# KiCad board panel_rp2354_20x20.kicad_pcb (continued)
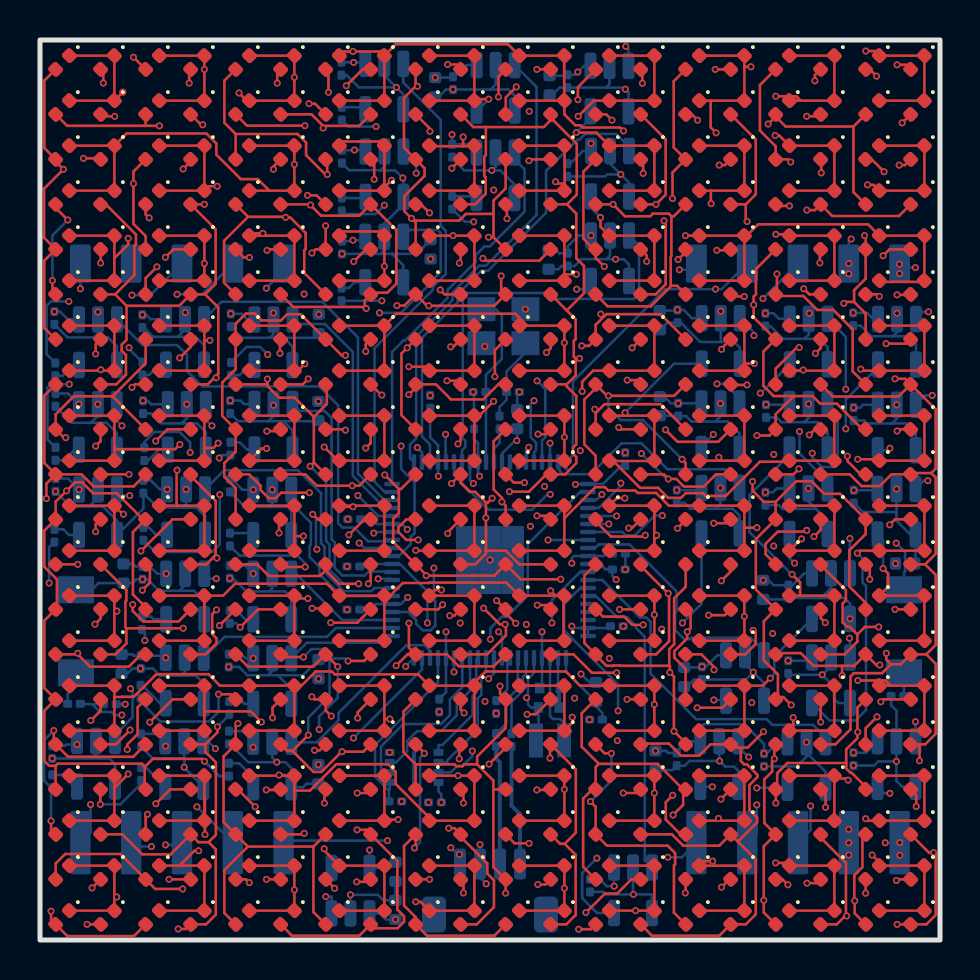
[diagram p0: board, top side]
## Placement (name value [footprint] x y rotation side) (continued)
J4  Conn_01x05  [ConnRcpt_1x5_SMH-105-02-X-S]  37.9 41.1 0 bottom
J5  Conn_01x05  [ConnRcpt_1x5_SMH-105-02-X-S]  7.1 41.1 0 bottom
L1  3.3uH  [L_pol_2016]  25.5 9.97 0 bottom
R1  10k  [R_0201_0603Metric]  17.77 6.93 180 bottom
R2  1k  [R_0201_0603Metric]  42.88 12.2 180 bottom
R3  1k  [R_0201_0603Metric]  1.7 11.81 180 bottom
R4  10k  [R_0201_0603Metric]  3.5 11.79 180 bottom
R5  1k  [R_0201_0603Metric]  22.97 25.88 90 bottom
R6  33  [R_0201_0603Metric]  27.8 11.02 0 bottom
R7  27  [R_0201_0603Metric]  22.8 10 90 bottom
R8  27  [R_0201_0603Metric]  23.58 10 90 bottom
R9  270  [R_0201_0603Metric]  9.45 8.52 270 bottom
R10  270  [R_0201_0603Metric]  5.06 8.3 270 bottom
R11  270  [R_0201_0603Metric]  0.61 7.94 270 bottom
R12  270  [R_0201_0603Metric]  9.46 11.61 270 bottom
R13  270  [R_0201_0603Metric]  5.03 12.42 270 bottom
R14  270  [R_0201_0603Metric]  9.49 16.16 270 bottom
R15  270  [R_0201_0603Metric]  5.1 15.84 270 bottom
R16  270  [R_0201_0603Metric]  9.5 20.03 270 bottom
R17  270  [R_0201_0603Metric]  5.17 20.31 270 bottom
R18  270  [R_0201_0603Metric]  0.72 20.22 270 bottom
R19  270  [R_0201_0603Metric]  9.52 24.56 270 bottom
R20  270  [R_0201_0603Metric]  5.22 24.29 90 bottom
R21  270  [R_0201_0603Metric]  0.77 24.31 90 bottom
R22  270  [R_0201_0603Metric]  0.77 28.53 90 bottom
R23  270  [R_0201_0603Metric]  15.09 36.77 270 bottom
R24  270  [R_0201_0603Metric]  15.08 32.28 270 bottom
R25  270  [R_0201_0603Metric]  9.55 28.56 90 bottom
R26  270  [R_0201_0603Metric]  5.12 28.57 90 bottom
R27  270  [R_0201_0603Metric]  15.09 41.32 270 bottom
R28  270  [R_0201_0603Metric]  20.61 36.87 270 bottom
SW1  SW_Push  [TS-1088-AR02016]  1.8 15.44 270 bottom
SW2  SW_Push  [TS-1088-AR02016]  43.2 15.44 90 bottom
U1  APS6404L-3SQR  [flashmem_PSON50P300X200X60-9N]  18.7 8.63 0 bottom
U2  RP2354B_80QFN  [RP2350-QFN-80-1EP_10x10_P0.4mm_EP3.4x3.4mm_ThermalVias]  22.5 19 0 bottom
U3  UCC27517  [SOT-23-5]  11.61 8.78 270 bottom
U4  UCC27517  [SOT-23-5]  7.21 8.8 270 bottom
U5  UCC27517  [SOT-23-5]  2.8 8.81 270 bottom
U6  UCC27517  [SOT-23-5]  11.61 12.95 270 bottom
U7  UCC27517  [SOT-23-5]  7.24 12.97 270 bottom
U8  UCC27517  [SOT-23-5]  11.61 17.17 270 bottom
U9  UCC27517  [SOT-23-5]  7.26 17.17 270 bottom
U10  UCC27517  [SOT-23-5]  11.61 21.38 270 bottom
U11  UCC27517  [SOT-23-5]  7.3 21.39 270 bottom
U12  UCC27517  [SOT-23-5]  2.9 21.39 270 bottom
U13  UCC27517  [SOT-23-5]  11.67 25.66 270 bottom
U14  UCC27517  [SOT-23-5]  7.34 25.65 270 bottom
U15  UCC27517  [SOT-23-5]  2.89 25.65 270 bottom
U16  UCC27517  [SOT-23-5]  2.9 29.89 270 bottom
U17  UCC27517  [SOT-23-5]  17.22 38.29 270 bottom
U18  UCC27517  [SOT-23-5]  17.21 34.02 270 bottom
U19  UCC27517  [SOT-23-5]  11.67 29.89 270 bottom
U20  UCC27517  [SOT-23-5]  7.25 29.9 270 bottom
U21  UCC27517  [SOT-23-5]  17.21 42.67 270 bottom
U22  UCC27517  [SOT-23-5]  22.78 38.24 270 bottom
U23  UCC27517  [SOT-23-5]  22.78 42.61 270 bottom
U24  UCC27517  [SOT-23-5]  28.47 42.57 270 bottom
U25  UCC27517  [SOT-23-5]  28.5 38.31 270 bottom
U26  UCC27517  [SOT-23-5]  38.44 29.92 270 bottom
U27  UCC27517  [SOT-23-5]  34.04 29.95 270 bottom
U28  UCC27517  [SOT-23-5]  28.5 34.09 270 bottom
U29  UCC27517  [SOT-23-5]  38.42 25.66 270 bottom
U30  UCC27517  [SOT-23-5]  34.03 25.69 270 bottom
U31  UCC27517  [SOT-23-5]  42.85 29.91 270 bottom
U32  UCC27517  [SOT-23-5]  38.42 21.44 270 bottom
U33  UCC27517  [SOT-23-5]  34.03 21.46 270 bottom
U34  UCC27517  [SOT-23-5]  42.84 25.62 270 bottom
U35  UCC27517  [SOT-23-5]  39.55 17.19 270 bottom
U36  UCC27517  [SOT-23-5]  42.83 21.41 270 bottom
U37  UCC27517  [SOT-23-5]  39.55 12.99 270 bottom
U38  UCC27517  [SOT-23-5]  35.25 13.1 270 bottom
U39  UCC27517  [SOT-23-5]  42.83 8.8 270 bottom
U40  UCC27517  [SOT-23-5]  38.33 8.75 270 bottom
U41  UCC27517  [SOT-23-5]  33.96 8.8 270 bottom
U42  UCC27517  [SOT-23-5]  29.65 2.49 270 bottom
U43  AP2112K-3.3  [SOT-23-5]  15.53 2.47 90 bottom
Y1  ABM8-272-T3  [Crystal_SMD_3225-4Pin_3.2x2.5mm]  23.17 30.69 0 bottom

## Library data of the parts
C1-C18 C67 C68 = -: ki_fp_filters: C_*
C19-C58 = -: Description: Unpolarized capacitor, small symbol; ki_fp_filters: C_*
C59-C66 C69-C76 = -: Description: Unpolarized capacitor; ki_fp_filters: C_*
D1 = -: Description: Light emitting diode; ki_fp_filters: LED* LED_SMD:* LED_THT:*
D2-D400 = -: ki_fp_filters: LED* LED_SMD:* LED_THT:*
J1-J5 = -: ki_fp_filters: Connector*:*_1x??_*
L1 = -: ki_fp_filters: Choke_* *Coil* Inductor_* L_*
R1-R28 = -: ki_fp_filters: R_*
U3-U42 = -: LCSC Part #: C99395
U43 = -: Datasheet: https://www.diodes.com/assets/Datasheets/AP2112.pdf; ki_fp_filters: SOT?23?5*
Y1 = -: ki_fp_filters: Crystal*

## Footprints (pads in the part's own frame, mm; a bottom-side part is the same pattern mirrored in y, then rotated)
C_0201_0603Metric
  rrect 0.318x0.36 smd: (-0.345,0) (0.345,0)
  rrect 0.46x0.4 smd: 1(-0.32,0) 2(0.32,0)
C_0402_1005Metric
  rrect 0.56x0.62 smd: 1(-0.48,0) 2(0.48,0)
C_0402_1005Metric_small_pads
  rect 0.47x0.53 smd: 1(-0.515,0) 2(0.515,0)
ConnRcpt_1x5_SMH-105-02-X-S
  rrect 1.04x1.91 smd: 1(-5.08,7.277) 2(-2.54,7.277) 3(0,7.277) 4(2.54,7.277) 5(5.08,7.277)
Crystal_SMD_3225-4Pin_3.2x2.5mm
  rect 1.4x1.2 smd: 1(-1.1,-0.85) 2(1.1,-0.85) 3(1.1,0.85) 4(-1.1,0.85)
flashmem_PSON50P300X200X60-9N
  rect 0.49x0.35 smd: 1(-1.22,0.75) 2(-1.22,0.25) 3(-1.22,-0.25) 4(-1.22,-0.75) 5(1.22,-0.75) 6(1.22,-0.25) 7(1.22,0.25) 8(1.22,0.75)
  rect 0.2x1.6 smd: 9(0,0)
JST_SH_BM04B-SRSS-TB_1x04-1MP_P1.00mm_Vertical
  rrect 0.6x1.55 smd: 1(-1.5,-1.325) 2(-0.5,-1.325) 3(0.5,-1.325) 4(1.5,-1.325)
  rrect 1.2x1.8 smd: MP(-2.8,1.2) MP(2.8,1.2)
L_pol_2016
  rect 0.7x1.7 smd: 1(-0.7,0) 2(0.7,0)
LED_0402_1005Metric
  rrect 0.59x0.64 smd: 1(-0.485,0) 2(0.485,0)
PinHeader_1x5_M20-8890545R
  rrect 1.02x3.17 smd: 1(-5.08,0) 2(-2.54,0) 3(0,0) 4(2.54,0) 5(5.08,0)
R_0201_0603Metric
  rrect 0.318x0.36 smd: (-0.345,0) (0.345,0)
  rrect 0.46x0.4 smd: 1(-0.32,0) 2(0.32,0)
RP2350-QFN-80-1EP_10x10_P0.4mm_EP3.4x3.4mm_ThermalVias
  rrect 1.2x1.2 smd: (-0.7,-0.7) (-0.7,0.7) (0.7,-0.7) (0.7,0.7)
  rrect 0.78x0.22 smd: 1(-4.896,3.8) 2(-4.896,3.4) 3(-4.896,3) 4(-4.896,2.6) 5(-4.896,2.2) 6(-4.896,1.8) 7(-4.896,1.4) 8(-4.896,1) 9(-4.896,0.6) 10(-4.896,0.2) 11(-4.896,-0.2) 12(-4.896,-0.6) 13(-4.896,-1) 14(-4.896,-1.4) 15(-4.896,-1.8) 16(-4.896,-2.2) 17(-4.896,-2.6) 18(-4.896,-3) 19(-4.896,-3.4) 20(-4.896,-3.8) 41(4.896,-3.8) 42(4.896,-3.4) 43(4.896,-3) 44(4.896,-2.6) 45(4.896,-2.2) 46(4.896,-1.8) 47(4.896,-1.4) 48(4.896,-1) 49(4.896,-0.6) 50(4.896,-0.2) 51(4.896,0.2) 52(4.896,0.6) 53(4.896,1) 54(4.896,1.4) 55(4.896,1.8) 56(4.896,2.2) 57(4.896,2.6) 58(4.896,3) 59(4.896,3.4) 60(4.896,3.8)
  rrect 0.22x0.78 smd: 21(-3.8,-4.896) 22(-3.4,-4.896) 23(-3,-4.896) 24(-2.6,-4.896) 25(-2.2,-4.896) 26(-1.8,-4.896) 27(-1.4,-4.896) 28(-1,-4.896) 29(-0.6,-4.896) 30(-0.2,-4.896) 31(0.2,-4.896) 32(0.6,-4.896) 33(1,-4.896) 34(1.4,-4.896) 35(1.8,-4.896) 36(2.2,-4.896) 37(2.6,-4.896) 38(3,-4.896) 39(3.4,-4.896) 40(3.8,-4.896) 61(3.8,4.896) 62(3.4,4.896) 63(3,4.896) 64(2.6,4.896) 65(2.2,4.896) 66(1.8,4.896) 67(1.4,4.896) 68(1,4.896) 69(0.6,4.896) 70(0.2,4.896) 71(-0.2,4.896) 72(-0.6,4.896) 73(-1,4.896) 74(-1.4,4.896) 75(-1.8,4.896) 76(-2.2,4.896) 77(-2.6,4.896) 78(-3,4.896) 79(-3.4,4.896) 80(-3.8,4.896)
  rect 1.133x1.133 smd: 81(-1.133,-1.133) 81(-1.133,0) 81(-1.133,1.133) 81(0,-1.133) 81(0,0) 81(0,1.133) 81(1.133,-1.133) 81(1.133,0) 81(1.133,1.133)
SOT-23-5
  rrect 1.325x0.6 smd: 1(-1.137,0.95) 2(-1.137,0) 3(-1.137,-0.95) 4(1.137,-0.95) 5(1.137,0.95)
TS-1088-AR02016
  rect 1.35x1.8 smd: 1(-2.075,0) 2(2.075,0)

## Nets
+1V1: C5.1 C6.1 C8.1 C9.1 L1.1 U2.10 U2.32 U2.51 U2.65
+3V3: C3.1 C4.1 C10.1 C11.1 C12.1 C13.1 C14.1 C15.1 C16.1 C17.1 C18.1 C68.1 R1.1 R4.1 R6.1 U1.8 U2.5 U2.15 U2.24 U2.29 U2.41 U2.50 U2.59 U2.60 U2.64 U2.68 U2.69 U2.76 U43.5
+5V: C19.1 C20.1 C21.1 C22.1 C23.1 C24.1 C25.1 C26.1 C27.1 C28.1 C29.1 C30.1 C31.1 C32.1 C33.1 C34.1 C35.1 C36.1 C37.1 C38.1 C39.1 C40.1 C41.1 C42.1 C43.1 C44.1 C45.1 C46.1 C47.1 C48.1 C49.1 C50.1 C51.1 C52.1 C53.1 C54.1 C55.1 C56.1 C57.1 C58.1 C59.1 C60.1 C61.1 C62.1 C63.1 C64.1 C65.1 C66.1 C67.1 C69.1 C70.1 C71.1 C72.1 C73.1 C74.1 C75.1 C76.1 J1.2 J2.5 J4.5 U3.1 U4.1 U5.1 U6.1 U7.1 U8.1 U9.1 U10.1 U11.1 U12.1 U13.1 U14.1 U15.1 U16.1 U17.1 U18.1 U19.1 U20.1 U21.1 U22.1 U23.1 U24.1 U25.1 U26.1 U27.1 U28.1 U29.1 U30.1 U31.1 U32.1 U33.1 U34.1 U35.1 U36.1 U37.1 U38.1 U39.1 U40.1 U41.1 U42.1 U43.1 U43.3
GND: C1.2 C2.2 C3.2 C4.2 C5.2 C6.2 C7.2 C8.2 C9.2 C10.2 C11.2 C12.2 C13.2 C14.2 C15.2 C16.2 C17.2 C18.2 C19.2 C20.2 C21.2 C22.2 C23.2 C24.2 C25.2 C26.2 C27.2 C28.2 C29.2 C30.2 C31.2 C32.2 C33.2 C34.2 C35.2 C36.2 C37.2 C38.2 C39.2 C40.2 C41.2 C42.2 C43.2 C44.2 C45.2 C46.2 C47.2 C48.2 C49.2 C50.2 C51.2 C52.2 C53.2 C54.2 C55.2 C56.2 C57.2 C58.2 C59.2 C60.2 C61.2 C62.2 C63.2 C64.2 C65.2 C66.2 C67.2 C68.2 C69.2 C70.2 C71.2 C72.2 C73.2 C74.2 C75.2 C76.2 J1.1 J2.4 J4.4 R2.2 SW1.1 U1.4 U2.62 U2.81 U3.2 U3.4 U4.2 U4.4 U5.2 U5.4 U6.2 U6.4 U7.2 U7.4 U8.2 U8.4 U9.2 U9.4 U10.2 U10.4 U11.2 U11.4 U12.2 U12.4 U13.2 U13.4 U14.2 U14.4 U15.2 U15.4 U16.2 U16.4 U17.2 U17.4 U18.2 U18.4 U19.2 U19.4 U20.2 U20.4 U21.2 U21.4 U22.2 U22.4 U23.2 U23.4 U24.2 U24.4 U25.2 U25.4 U26.2 U26.4 U27.2 U27.4 U28.2 U28.4 U29.2 U29.4 U30.2 U30.4 U31.2 U31.4 U32.2 U32.4 U33.2 U33.4 U34.2 U34.4 U35.2 U35.4 U36.2 U36.4 U37.2 U37.4 U38.2 U38.4 U39.2 U39.4 U40.2 U40.4 U41.2 U41.4 U42.2 U42.4 U43.2 Y1.2 Y1.4
/drivers/COL_00: R9.1 U3.5
/drivers/COL_01: R10.1 U4.5
/drivers/COL_02: R11.1 U5.5
/drivers/COL_03: R12.1 U6.5
/drivers/COL_04: R13.1 U7.5
/drivers/COL_05: R14.1 U8.5
/drivers/COL_06: R15.1 U9.5
/drivers/COL_07: R16.1 U10.5
/drivers/COL_08: R17.1 U11.5
/drivers/COL_09: R18.1 U12.5
/drivers/COL_10: R19.1 U13.5
/drivers/COL_11: R20.1 U14.5
/drivers/COL_12: R21.1 U15.5
/drivers/COL_13: R22.1 U16.5
/drivers/COL_14: R23.1 U17.5
/drivers/COL_15: R24.1 U18.5
/drivers/COL_16: R25.1 U19.5
/drivers/COL_17: R26.1 U20.5
/drivers/COL_18: R27.1 U21.5
/drivers/COL_19: R28.1 U22.5
/drivers/COL_MCU_00: U2.78 U3.3
/drivers/COL_MCU_01: U2.79 U4.3
/drivers/COL_MCU_02: U2.80 U5.3
/drivers/COL_MCU_03: U2.1 U6.3
/drivers/COL_MCU_04: U2.2 U7.3
/drivers/COL_MCU_05: U2.3 U8.3
/drivers/COL_MCU_06: U2.4 U9.3
/drivers/COL_MCU_07: U2.6 U10.3
/drivers/COL_MCU_08: U2.7 U11.3
/drivers/COL_MCU_09: U2.8 U12.3
/drivers/COL_MCU_10: U2.9 U13.3
/drivers/COL_MCU_11: U2.11 U14.3
/drivers/COL_MCU_12: U2.12 U15.3
/drivers/COL_MCU_13: U2.13 U16.3
/drivers/COL_MCU_14: U2.14 U17.3
/drivers/COL_MCU_15: U2.16 U18.3
/drivers/COL_MCU_16: U2.17 U19.3
/drivers/COL_MCU_17: U2.18 U20.3
/drivers/COL_MCU_18: U2.19 U21.3
/drivers/COL_MCU_19: U2.20 U22.3
/drivers/ROW_00: D1.1 D21.1 D41.1 D61.1 D81.1 D101.1 D121.1 D141.1 D161.1 D181.1 D201.1 D221.1 D241.1 D261.1 D281.1 D301.1 D321.1 D341.1 D361.1 D381.1 U23.5
/drivers/ROW_01: D2.1 D22.1 D42.1 D62.1 D82.1 D102.1 D122.1 D142.1 D162.1 D182.1 D202.1 D222.1 D242.1 D262.1 D282.1 D302.1 D322.1 D342.1 D362.1 D382.1 U24.5
/drivers/ROW_02: D3.1 D23.1 D43.1 D63.1 D83.1 D103.1 D123.1 D143.1 D163.1 D183.1 D203.1 D223.1 D243.1 D263.1 D283.1 D303.1 D323.1 D343.1 D363.1 D383.1 U25.5
/drivers/ROW_03: D4.1 D24.1 D44.1 D64.1 D84.1 D104.1 D124.1 D144.1 D164.1 D184.1 D204.1 D224.1 D244.1 D264.1 D284.1 D304.1 D324.1 D344.1 D364.1 D384.1 U26.5
/drivers/ROW_04: D5.1 D25.1 D45.1 D65.1 D85.1 D105.1 D125.1 D145.1 D165.1 D185.1 D205.1 D225.1 D245.1 D265.1 D285.1 D305.1 D325.1 D345.1 D365.1 D385.1 U27.5
/drivers/ROW_05: D6.1 D26.1 D46.1 D66.1 D86.1 D106.1 D126.1 D146.1 D166.1 D186.1 D206.1 D226.1 D246.1 D266.1 D286.1 D306.1 D326.1 D346.1 D366.1 D386.1 U28.5
/drivers/ROW_06: D7.1 D27.1 D47.1 D67.1 D87.1 D107.1 D127.1 D147.1 D167.1 D187.1 D207.1 D227.1 D247.1 D267.1 D287.1 D307.1 D327.1 D347.1 D367.1 D387.1 U29.5
/drivers/ROW_07: D8.1 D28.1 D48.1 D68.1 D88.1 D108.1 D128.1 D148.1 D168.1 D188.1 D208.1 D228.1 D248.1 D268.1 D288.1 D308.1 D328.1 D348.1 D368.1 D388.1 U30.5
/drivers/ROW_08: D9.1 D29.1 D49.1 D69.1 D89.1 D109.1 D129.1 D149.1 D169.1 D189.1 D209.1 D229.1 D249.1 D269.1 D289.1 D309.1 D329.1 D349.1 D369.1 D389.1 U31.5
/drivers/ROW_09: D10.1 D30.1 D50.1 D70.1 D90.1 D110.1 D130.1 D150.1 D170.1 D190.1 D210.1 D230.1 D250.1 D270.1 D290.1 D310.1 D330.1 D350.1 D370.1 D390.1 U32.5
/drivers/ROW_10: D11.1 D31.1 D51.1 D71.1 D91.1 D111.1 D131.1 D151.1 D171.1 D191.1 D211.1 D231.1 D251.1 D271.1 D291.1 D311.1 D331.1 D351.1 D371.1 D391.1 U33.5
/drivers/ROW_11: D12.1 D32.1 D52.1 D72.1 D92.1 D112.1 D132.1 D152.1 D172.1 D192.1 D212.1 D232.1 D252.1 D272.1 D292.1 D312.1 D332.1 D352.1 D372.1 D392.1 U34.5
/drivers/ROW_12: D13.1 D33.1 D53.1 D73.1 D93.1 D113.1 D133.1 D153.1 D173.1 D193.1 D213.1 D233.1 D253.1 D273.1 D293.1 D313.1 D333.1 D353.1 D373.1 D393.1 U35.5
/drivers/ROW_13: D14.1 D34.1 D54.1 D74.1 D94.1 D114.1 D134.1 D154.1 D174.1 D194.1 D214.1 D234.1 D254.1 D274.1 D294.1 D314.1 D334.1 D354.1 D374.1 D394.1 U36.5
/drivers/ROW_14: D15.1 D35.1 D55.1 D75.1 D95.1 D115.1 D135.1 D155.1 D175.1 D195.1 D215.1 D235.1 D255.1 D275.1 D295.1 D315.1 D335.1 D355.1 D375.1 D395.1 U37.5
/drivers/ROW_15: D16.1 D36.1 D56.1 D76.1 D96.1 D116.1 D136.1 D156.1 D176.1 D196.1 D216.1 D236.1 D256.1 D276.1 D296.1 D316.1 D336.1 D356.1 D376.1 D396.1 U38.5
/drivers/ROW_16: D17.1 D37.1 D57.1 D77.1 D97.1 D117.1 D137.1 D157.1 D177.1 D197.1 D217.1 D237.1 D257.1 D277.1 D297.1 D317.1 D337.1 D357.1 D377.1 D397.1 U39.5
/drivers/ROW_17: D18.1 D38.1 D58.1 D78.1 D98.1 D118.1 D138.1 D158.1 D178.1 D198.1 D218.1 D238.1 D258.1 D278.1 D298.1 D318.1 D338.1 D358.1 D378.1 D398.1 U40.5
/drivers/ROW_18: D19.1 D39.1 D59.1 D79.1 D99.1 D119.1 D139.1 D159.1 D179.1 D199.1 D219.1 D239.1 D259.1 D279.1 D299.1 D319.1 D339.1 D359.1 D379.1 D399.1 U41.5
/drivers/ROW_19: D20.1 D40.1 D60.1 D80.1 D100.1 D120.1 D140.1 D160.1 D180.1 D200.1 D220.1 D240.1 D260.1 D280.1 D300.1 D320.1 D340.1 D360.1 D380.1 D400.1 U42.5
/drivers/ROW_MCU_00: U2.21 U23.3
/drivers/ROW_MCU_01: U2.22 U24.3
/drivers/ROW_MCU_02: U2.23 U25.3
/drivers/ROW_MCU_03: U2.25 U26.3
/drivers/ROW_MCU_04: U2.26 U27.3
/drivers/ROW_MCU_05: U2.27 U28.3
/drivers/ROW_MCU_06: U2.28 U29.3
/drivers/ROW_MCU_07: U2.36 U30.3
/drivers/ROW_MCU_08: U2.37 U31.3
/drivers/ROW_MCU_09: U2.38 U32.3
/drivers/ROW_MCU_10: U2.39 U33.3
/drivers/ROW_MCU_11: U2.45 U34.3
/drivers/ROW_MCU_12: U2.46 U35.3
/drivers/ROW_MCU_13: U2.47 U36.3
/drivers/ROW_MCU_14: U2.48 U37.3
/drivers/ROW_MCU_15: U2.49 U38.3
/drivers/ROW_MCU_16: U2.52 U39.3
/drivers/ROW_MCU_17: U2.53 U40.3
/drivers/ROW_MCU_18: U2.54 U41.3
/drivers/ROW_MCU_19: U2.55 U42.3
/panel_header/CS0: J3.5 U2.42
/panel_header/CS1: J3.4 J5.5
/panel_header/CS2: J3.3 J5.4
/panel_header/CS4: J3.2 J5.3
/panel_header/EINT: J3.1 J5.1
/panel_header/MISO: J2.1 J4.1 U2.44
/panel_header/MOSI: J2.2 J4.2 U2.40
/panel_header/SCK: J2.3 J4.3 U2.43
/panel_mcu/D+: J1.3 R7.1
/panel_mcu/D-: J1.4 R8.1
/panel_mcu/QSPI_SCLK: U1.6 U2.71
/panel_mcu/QSPI_SD0: U1.5 U2.72
/panel_mcu/QSPI_SD1: U1.2 U2.74
/panel_mcu/QSPI_SD2: U1.3 U2.73
/panel_mcu/QSPI_SD3: U1.7 U2.70
/panel_mcu/QSPI_SS: R3.1 R4.2 U2.75
/panel_mcu/RUN: SW2.2 U2.35
/panel_mcu/VREG_AVDD: C7.1 R6.2 U2.61
/panel_mcu/VREG_LX: L1.2 U2.63
/panel_mcu/XIN: C1.1 U2.30 Y1.1
/panel_mcu/XIP_CS1n: R1.2 U1.1 U2.77
/panel_mcu/XOUT: R5.1 U2.31
/panel_mcu/~{USB_BOOT}: R3.2 SW1.2
Net-(C2-Pad1): C2.1 R5.2 Y1.3
Net-(D1-A): D1.2 D2.2 D3.2 D4.2 D5.2 D6.2 D7.2 D8.2 D9.2 D10.2 D11.2 D12.2 D13.2 D14.2 D15.2 D16.2 D17.2 D18.2 D19.2 D20.2 R9.2
Net-(D21-A): D21.2 D22.2 D23.2 D24.2 D25.2 D26.2 D27.2 D28.2 D29.2 D30.2 D31.2 D32.2 D33.2 D34.2 D35.2 D36.2 D37.2 D38.2 D39.2 D40.2 R10.2
Net-(D41-A): D41.2 D42.2 D43.2 D44.2 D45.2 D46.2 D47.2 D48.2 D49.2 D50.2 D51.2 D52.2 D53.2 D54.2 D55.2 D56.2 D57.2 D58.2 D59.2 D60.2 R11.2
Net-(D61-A): D61.2 D62.2 D63.2 D64.2 D65.2 D66.2 D67.2 D68.2 D69.2 D70.2 D71.2 D72.2 D73.2 D74.2 D75.2 D76.2 D77.2 D78.2 D79.2 D80.2 R12.2
Net-(D100-A): D81.2 D82.2 D83.2 D84.2 D85.2 D86.2 D87.2 D88.2 D89.2 D90.2 D91.2 D92.2 D93.2 D94.2 D95.2 D96.2 D97.2 D98.2 D99.2 D100.2 R13.2
Net-(D101-A): D101.2 D102.2 D103.2 D104.2 D105.2 D106.2 D107.2 D108.2 D109.2 D110.2 D111.2 D112.2 D113.2 D114.2 D115.2 D116.2 D117.2 D118.2 D119.2 D120.2 R14.2
Net-(D121-A): D121.2 D122.2 D123.2 D124.2 D125.2 D126.2 D127.2 D128.2 D129.2 D130.2 D131.2 D132.2 D133.2 D134.2 D135.2 D136.2 D137.2 D138.2 D139.2 D140.2 R15.2
Net-(D141-A): D141.2 D142.2 D143.2 D144.2 D145.2 D146.2 D147.2 D148.2 D149.2 D150.2 D151.2 D152.2 D153.2 D154.2 D155.2 D156.2 D157.2 D158.2 D159.2 D160.2 R16.2
Net-(D161-A): D161.2 D162.2 D163.2 D164.2 D165.2 D166.2 D167.2 D168.2 D169.2 D170.2 D171.2 D172.2 D173.2 D174.2 D175.2 D176.2 D177.2 D178.2 D179.2 D180.2 R17.2
Net-(D181-A): D181.2 D182.2 D183.2 D184.2 D185.2 D186.2 D187.2 D188.2 D189.2 D190.2 D191.2 D192.2 D193.2 D194.2 D195.2 D196.2 D197.2 D198.2 D199.2 D200.2 R18.2
Net-(D201-A): D201.2 D202.2 D203.2 D204.2 D205.2 D206.2 D207.2 D208.2 D209.2 D210.2 D211.2 D212.2 D213.2 D214.2 D215.2 D216.2 D217.2 D218.2 D219.2 D220.2 R19.2
Net-(D221-A): D221.2 D222.2 D223.2 D224.2 D225.2 D226.2 D227.2 D228.2 D229.2 D230.2 D231.2 D232.2 D233.2 D234.2 D235.2 D236.2 D237.2 D238.2 D239.2 D240.2 R20.2
Net-(D241-A): D241.2 D242.2 D243.2 D244.2 D245.2 D246.2 D247.2 D248.2 D249.2 D250.2 D251.2 D252.2 D253.2 D254.2 D255.2 D256.2 D257.2 D258.2 D259.2 D260.2 R21.2
Net-(D261-A): D261.2 D262.2 D263.2 D264.2 D265.2 D266.2 D267.2 D268.2 D269.2 D270.2 D271.2 D272.2 D273.2 D274.2 D275.2 D276.2 D277.2 D278.2 D279.2 D280.2 R22.2
Net-(D281-A): D281.2 D282.2 D283.2 D284.2 D285.2 D286.2 D287.2 D288.2 D289.2 D290.2 D291.2 D292.2 D293.2 D294.2 D295.2 D296.2 D297.2 D298.2 D299.2 D300.2 R23.2
Net-(D301-A): D301.2 D302.2 D303.2 D304.2 D305.2 D306.2 D307.2 D308.2 D309.2 D310.2 D311.2 D312.2 D313.2 D314.2 D315.2 D316.2 D317.2 D318.2 D319.2 D320.2 R24.2
Net-(D321-A): D321.2 D322.2 D323.2 D324.2 D325.2 D326.2 D327.2 D328.2 D329.2 D330.2 D331.2 D332.2 D333.2 D334.2 D335.2 D336.2 D337.2 D338.2 D339.2 D340.2 R25.2
Net-(D341-A): D341.2 D342.2 D343.2 D344.2 D345.2 D346.2 D347.2 D348.2 D349.2 D350.2 D351.2 D352.2 D353.2 D354.2 D355.2 D356.2 D357.2 D358.2 D359.2 D360.2 R26.2
Net-(D361-A): D361.2 D362.2 D363.2 D364.2 D365.2 D366.2 D367.2 D368.2 D369.2 D370.2 D371.2 D372.2 D373.2 D374.2 D375.2 D376.2 D377.2 D378.2 D379.2 D380.2 R27.2
Net-(D381-A): D381.2 D382.2 D383.2 D384.2 D385.2 D386.2 D387.2 D388.2 D389.2 D390.2 D391.2 D392.2 D393.2 D394.2 D395.2 D396.2 D397.2 D398.2 D399.2 D400.2 R28.2
Net-(R2-Pad1): R2.1 SW2.1
Net-(U2-USB_DM): R8.2 U2.66
Net-(U2-USB_DP): R7.2 U2.67

Pads without a net: J1 MP; J5 2; U1 9; U2 33 34 56 57 58; U43 4

## Via types
v1: diameter 0.35, hole 0.2, Top to Bottom, 644 vias

## Routing (per net, layer and track width the routed paths; a pad name or vN(x,y) marks a point on that pad's centre or on a via; arc(x,y) is an arc through that point)
+1V1: length 40.4
  In3.Cu w0.127: v1(28.81,18.02) 28.46,17.68 v1(28.46,14.08) ; 23.3,16.87 23.84,17.41 v1(23.84,24.97) ; 23.3,16.87 22.28,15.85 v1(21.01,15.85) ; 23.3,16.87 24.32,15.85 v1(24.32,15.78)
  In4.Cu w0.127: 24.33,14.08 v1(28.46,14.08) ; 24.33,14.08 24.33,15.77 v1(24.32,15.78) ; 24.33,14.08 v1(24.33,12.11) ; v1(21.01,15.85) 19.37,15.85 v1(19.37,15.85)
  Bottom w0.127: v1(28.81,18.02) 28.62,18.2 C9.1 28.28,18.53 28.01,18.8 U2.51 ; 23.79,25.01 v1(23.84,24.97) ; 23.79,25.01 23.86,25.08 C8.1 ; 23.79,25.01 23.1,24.32 U2.32 ; L1.1 24.92,10.1 C5.1 24.55,11.62 24.4,11.78 24.4,13.05 24.7,13.35 U2.65 ; v1(19.37,15.85) 19.37,17.42 18,18.8 U2.10 16.77,18.8 16.65,18.68 C6.1
+3V3: length 95.5
  In3.Cu w0.127: 25.94,15.04 25.93,15.04 25.57,15.4 25.11,15.4 v1(25.1,15.41) v1(22.93,15.41) v1(20.3,15.41) 19.91,15.41 19.53,15.03 18.25,15.03 16.61,13.39 16.48,13.39 ; 25.94,15.04 27.48,13.5 v1(27.48,11.02) ; 25.94,15.04 v1(26.59,15.69) v1(26.59,18.84) 26.59,22.6 v1(26.77,22.78) ; 16.48,6.65 16.48,11.04 ; 16.48,6.65 16.76,6.93 v1(18.08,6.93) 18.56,6.45 19.64,6.45 v1(20.06,6.88) ; 16.48,6.65 v1(16.48,4.5) ; 16.48,11.04 16.48,13.39 ; 16.48,11.04 15.73,11.79 v1(4.26,11.79) ; v1(21.98,23.19) v1(19.92,23.19) 18.36,21.63 v1(18.36,20.53) 18.39,20.5 v1(18.39,17.13) 16.48,15.22 16.48,13.39
  Bottom w0.127: C68.1 17.19,3.89 16.91,3.61 U43.5 16.47,4 16.48,4.01 v1(16.48,4.5) ; 20.06,7.08 20.06,7.08 19.91,6.93 ; 20.06,7.08 20.06,7.28 19.92,7.42 U1.8 ; 20.06,7.08 v1(20.06,6.88) ; C16.1 28.43,15.6 U2.59 ; v1(22.93,15.41) 22.93,15.38 ; 22.93,15.38 23.1,15.21 U2.69 23.3,14.1 ; 22.93,15.38 22.93,15.35 ; v1(25.1,15.41) U2.64 25.1,12.72 C4.1 ; v1(18.39,17.13) 18.06,16.8 U2.5 16.79,16.8 16.51,16.52 C10.1 ; v1(20.3,15.41) U2.76 20.3,12.39 C18.1 ; 23.3,14.1 23.37,14.04 23.37,12.53 C17.1 ; 23.3,14.1 U2.68 ; C12.1 19.51,25.13 19.9,24.74 U2.24 19.9,23.21 v1(19.92,23.19) ; v1(26.59,18.84) 26.59,19.09 26.7,19.2 U2.50 28.17,19.2 28.29,19.32 C15.1 ; R4.1 v1(4.26,11.79) ; v1(26.59,15.69) 26.68,15.6 U2.59 ; v1(21.98,23.19) 21.9,23.27 U2.29 21.9,24.84 21.7,25.04 C13.1 ; C11.1 16.57,21.04 16.81,20.8 U2.15 18.09,20.8 v1(18.36,20.53) ; v1(26.77,22.78) 26.79,22.8 U2.41 28.15,22.8 29.08,23.72 29.26,23.72 ; U2.59 U2.60
+5V: length 81.7
  Bottom w0.127: U4.1 6.26,9.71 v1(6.28,9.69) ; U4.1 5.9,10.31 C20.1 ; U4.1 6.07,9.75 ; J2.5 42.98,5.72 ; J2.5 42.27,4.86 v1(42.26,4.86) ; J2.5 42.98,4.25 v1(42.99,4.24) ; J2.5 42.98,5.72 ; J2.5 42.98,4.86 v1(42.99,4.87) ; 42.98,5.72 42.98,6.13 ; 42.98,33.8 v1(42.98,33.32) ; 42.98,33.8 v1(42.97,33.79) 43.14,33.62 v1(43.77,33.62) ; 42.98,33.8 J4.5 42.98,33.8 ; v1(1.94,26.79) 1.4,27.33 C31.1 ; v1(40.69,22.49) 41.81,22.49 U36.1 ; v1(10.66,22.51) 10.12,22.51 9.59,23.05 C26.1 ; 10.73,31.02 10.37,31.02 10.08,31.31 v1(9.54,31.31) ; U33.1 32.97,22.5 v1(31.84,22.5) ; 9.44,14.3 10.06,14.3 10.27,14.09 v1(10.66,14.09) ; U31.1 41.66,31.05 41.36,31.35 v1(40.66,31.35) ; U34.1 41.15,26.76 41,26.61 v1(40.68,26.61) ; U21.1 16.19,43.88 v1(15.68,43.88) 15.67,43.88 C37.1 ; v1(36.3,26.77) 37.44,26.77 U29.1 ; v1(10.66,9.64) 10.66,9.64 U3.1 10.13,10.44 C19.1 ; 1.95,31.02 1.4,31.02 1,31.42 v1(0.72,31.42) ; v1(9.51,26.97) 10.03,26.97 10.2,26.8 U13.1 ; U32.1 36.83,22.58 36.64,22.39 v1(36.27,22.39) ; U5.1 v1(1.85,9.77) 1.31,9.77 1.26,9.72 0.61,9.72 ; v1(10.66,18.31) 10.25,18.72 C24.1 ; 25.48,43.22 26.33,43.22 C40.1 26.75,43.26 v1(26.89,43.4) 27.2,43.71 U24.1 ; v1(27.55,39.83) U25.1 27.14,39.45 26.51,38.82 C41.1 ; U37.1 38.44,13.97 v1(37.41,13.97) ; U26.1 36.95,31.06 36.95,31.06 36.67,31.34 v1(36.27,31.34) ; v1(6.35,22.53) 5.99,22.53 5.54,22.98 C27.1 ; U39.1 41.3,9.36 v1(40.67,9.36) ; C61.1 33.06,13.63 v1(33.1,13.67) 33.3,13.67 33.87,14.24 U38.1 ; C73.1 25.79,34.5 25.96,34.33 25.97,34.34 C44.1 26.39,34.69 26.92,35.23 v1(27.55,35.23) ; C34.1 15.61,34.95 v1(15.65,34.99) 16.09,34.99 U18.1 ; U42.1 28.7,2.7 v1(28.71,2.69) 28.34,2.69 27.98,3.05 C58.1 ; U43.3 14.58,2.16 14.56,2.17 v1(14.29,2.17) ; 6.03,31.3 U20.1 5.53,31.04 5.31,31.26 v1(5.12,31.26) ; v1(36.16,17.99) 36.43,17.99 36.68,17.74 C51.1 37.62,17.74 38.21,18.33 U35.1 ; v1(6.29,14.11) 6.19,14.22 4.7,14.22 4.63,14.28 C62.1 ; v1(17.78,1.03) 17.3,1.03 16.99,1.33 U43.1 16.47,1.62 16.48,1.63 ; 16.28,39.42 16.2,39.5 v1(15.72,39.5) 15.7,39.48 C33.1 ; U40.1 36.9,9.89 36.33,9.32 v1(36.2,9.32) 36.2,9.81 35.22,10.79 33.2,10.79 33.01,10.6 U41.1 32.35,9.94 31.84,9.43 C57.1 31.41,9.35 31.31,9.45 v1(30.78,9.45) ; v1(22.31,2.81) 22,3.12 J1.2 v1(22,4.77) ; v1(6.31,18.31) 5.86,18.31 5.49,18.67 C25.1 4.8,18.67 4.79,18.67 4.66,18.81 C59.1 ; U14.1 5.55,26.79 5.38,26.97 v1(5.15,26.97) ; v1(20.6,40.27) 20.61,40.26 20.61,39.78 21.42,39.78 U22.1 ; C72.1 31.83,31.47 v1(31.87,31.51) 32.19,31.51 32.6,31.09 U27.1 ; C28.1 1.41,23.07 v1(1.95,22.53) ; U30.1 33.06,26.83 v1(31.91,26.83) 31.55,26.83 31.21,27.17 C71.1 ; 21.83,43.74 21.31,43.74 20.73,43.16 C39.1 20.61,43.12 v1(19.76,43.12)
  vias: v1(13.94,31.28) v1(13.92,26.93) v1(13.93,13.06) v1(13.92,8.77) v1(19.53,34.05) v1(42.78,18.83)
GND: length 273.2
  Bottom w0.127: C63.2 37.36,17.03 C51.2 39.05,17.1 ; v1(29.67,2.28) 30.57,2.28 30.6,2.25 U42.4 ; v1(29.67,2.28) 29.52,2.28 29.52,2.28 28.29,2.28 28.17,2.41 C58.2 ; v1(29.67,2.28) 29.65,2.3 U42.2 ; U16.4 3.85,29.68 3.4,30.13 2.7,30.13 ; U26.4 39.39,29.64 38.97,30.06 38.22,30.06 ; J1.1 21,4.25 v1(20.97,4.28) 20.87,4.28 v1(20.54,4.61) ; 2.55,25.86 2.89,26.2 v1(2.89,26.79) ; 2.55,25.86 3.33,25.86 3.84,25.35 U15.4 ; 2.55,25.86 1.6,25.86 C31.2 ; 12.17,25.94 13.89,25.94 C75.2 ; 12.17,25.94 11.41,25.94 ; 12.17,25.94 12.62,25.48 U13.4 ; U19.4 12.62,29.67 12.19,30.11 ; 42.61,25.83 42.51,25.83 ; 42.61,25.83 42.51,25.83 ; 42.61,25.83 43.28,25.83 43.79,25.32 U34.4 ; 42.61,25.83 42.84,26.06 v1(42.84,26.76) ; 42.51,25.83 41.36,25.83 41.22,25.97 C50.2 ; 22.5,19.57 21.37,19.57 ; 22.5,19.57 22.5,19.28 ; 22.5,19.57 U2.81 ; 21.37,19.57 U2.81 ; 21.37,19.57 U2.81 U2.81 ; U9.2 7.26,17.75 6.97,17.46 ; v1(29.04,38.28) 28.5,38.82 U25.2 ; v1(29.04,38.28) 28.36,38.28 28.26,38.18 C41.2 ; v1(29.04,38.28) 29.45,37.87 U25.4 ; 38.33,9.36 v1(38.33,9.89) 38.33,9.36 ; 38.33,9.36 39.28,8.42 U40.4 ; 38.33,9.36 38.33,9.25 38.37,9.21 37.84,8.68 v1(36.2,8.68) ; 22.5,19.28 23.63,19.28 ; 22.5,19.28 v1(22.5,19) U2.81 ; v1(33.98,8.95) 34.26,8.67 34.7,8.67 34.91,8.46 U41.4 ; v1(33.98,8.95) 33.96,8.97 U41.2 ; v1(33.98,8.95) 32.49,8.95 32.48,8.96 32.23,8.71 C57.2 31.62,8.5 30.78,8.5 ; v1(42.83,22.55) 42.83,21.4 ; 42.83,21.4 42.83,20.97 43.52,20.28 43.78,20.28 43.78,18.86 C76.2 ; 42.83,21.4 41.14,21.4 C52.2 ; U24.2 28.47,42.8 28.3,42.62 ; U43.2 15.53,2.25 v1(15.52,2.26) 16.89,2.26 17.17,1.98 C67.2 C68.2 ; 11.41,25.94 11.67,26.2 v1(11.67,26.74) U13.2 ; 11.41,25.94 9.9,25.94 C29.2 ; 39.05,17.1 40.22,17.1 40.5,16.82 v1(40.5,16.06) ; 39.05,17.1 39.55,17.6 U35.2 ; 11.4,13.24 11.89,13.24 ; 11.4,13.24 11.61,13.45 U6.2 ; 11.4,13.24 10.37,13.24 9.95,13.66 v1(9.44,13.66) ; 11.89,13.24 13.15,13.24 C64.2 ; 11.89,13.24 12.56,12.56 U6.4 ; U5.2 2.8,9.28 2.59,9.08 ; U2.62 25.9,12.72 C4.2 ; v1(15.1,34.3) 17.03,34.3 ; 17.03,34.3 17.21,34.49 U18.2 17.21,35.82 18.17,36.79 U17.4 18.17,38.06 v1(18.14,38.1) 17.76,38.48 17.02,38.48 ; 17.03,34.3 17.59,34.3 ; 11.45,21.65 11.61,21.81 v1(11.61,22.51) ; 11.45,21.65 10.25,21.65 C26.2 ; 11.45,21.65 12.39,21.65 12.58,21.46 12.56,21.44 U10.4 ; C19.2 9.49,9.81 10.41,8.89 v1(11.84,8.89) ; C66.2 13.32,7.81 13.15,7.64 U3.4 12.56,8.6 12.27,8.89 v1(11.84,8.89) ; J2.4 v1(40.44,4.86) ; J2.4 v1(40.44,5.53) 40.44,5.65 ; J2.4 v1(40.44,4.86) ; v1(40.44,4.86) v1(40.44,4.25) 40.44,4.11 ; v1(11.67,31.35) 11.67,31.34 11.67,30.3 11.49,30.11 ; v1(9.49,18.08) 9.66,18.08 10.31,17.43 11.46,17.43 ; U37.2 39.55,13.7 v1(39.11,13.26) ; U20.4 8.2,29.75 7.79,30.16 6.89,30.16 ; U7.4 8.19,12.82 7.79,13.22 7.08,13.22 ; C32.2 1.37,30.13 2.7,30.13 ; v1(17.82,42.63) 17.21,43.24 U21.2 ; v1(17.82,42.63) 18.16,42.29 U21.4 ; v1(17.82,42.63) 15.94,42.63 15.33,43.24 C37.2 ; v1(22.24,29.68) 22.08,29.84 Y1.4 ; 33.76,25.92 34.38,25.92 34.97,25.33 U30.4 ; 33.76,25.92 32.58,25.92 32.31,26.19 C46.2 31.89,26.21 C71.2 ; 33.76,25.92 34.03,26.19 v1(34.03,26.83) ; U2.81 23.63,19.28 ; 23.63,19.28 U2.81 U2.81 ; v1(22.59,38.48) 21.22,38.48 20.61,39.09 C38.2 ; v1(22.59,38.48) 23.02,38.48 23.72,37.77 23.72,37.1 ; v1(22.59,38.48) 22.78,38.66 U22.2 ; 2.45,21.67 3.15,21.67 3.85,20.97 U12.4 5.17,21.57 C27.2 5.89,21.62 7.14,21.62 ; 2.45,21.67 1.72,21.67 1.71,21.66 1.55,21.66 v1(0.77,22.43) ; 2.45,21.67 2.9,22.12 U12.2 ; U4.4 7.33,8.5 7.33,8.52 v1(7.21,8.64) 7.21,8.94 7.21,8.95 7.21,9.13 ; U5.4 3.75,8.8 3.48,9.08 2.59,9.08 ; 2.7,30.13 2.9,30.33 v1(2.9,31.4) ; C70.2 25.61,42.26 25.98,42.62 C40.2 28.3,42.62 ; 6.89,30.16 5.66,30.16 5.2,30.62 C36.2 ; 6.89,30.16 7.25,30.52 U20.2 7.25,31.37 v1(7.26,31.38) ; 28.32,34.04 v1(28.78,34.04) 29.18,34.04 29.45,33.77 U28.4 ; 28.32,34.04 28.5,34.22 U28.2 ; 28.32,34.04 27.07,34.04 26.73,33.7 C44.2 26.08,33.7 25.92,33.54 C73.2 ; U39.4 43.11,7.66 42.82,7.95 v1(42.82,8.93) ; 38.22,30.06 38.44,30.28 U26.2 38.44,31.32 v1(38.46,31.34) ; 38.22,30.06 37.15,30.06 36.52,30.69 36.27,30.69 ; v1(7.34,26.79) 7.34,26.09 7.09,25.84 7.09,25.83 ; U37.4 39.91,11.85 39.7,12.06 39.7,12.67 v1(39.11,13.26) ; U29.4 39.38,25.38 38.86,25.89 38.21,25.89 ; v1(11.84,8.89) 11.61,9.12 U3.2 ; 7.14,21.62 7.3,21.78 v1(7.3,22.53) ; 7.14,21.62 7.82,21.62 8.26,21.19 U11.4 ; v1(35.66,13.39) 35.25,13.8 U38.2 ; v1(35.66,13.39) 36.2,12.85 U38.4 ; v1(35.66,13.39) 35.3,13.03 C54.2 32.69,13.03 32.34,12.67 C61.2 ; 34.04,29.91 34.7,29.91 34.99,29.62 U27.4 ; 34.04,29.91 U27.2 34.04,31.44 v1(34.04,31.44) ; 34.04,29.91 34.03,29.9 33.01,29.9 32.05,30.86 31.38,30.86 31.37,30.87 31.01,30.51 C72.2 ; SW1.1 2.59,17.51 2.92,17.84 C59.2 4.62,17.84 4.81,18.03 v1(5.13,18.03) 5.38,18.03 5.95,17.46 6.97,17.46 ; C69.2 19.94,42.16 20.31,42.52 v1(20.65,42.52) 22.53,42.52 ; 42.65,30.19 42.85,30.39 U31.2 v1(42.85,31.34) ; 42.65,30.19 41.56,30.19 41.03,30.72 C47.2 ; 42.65,30.19 43.39,30.19 43.8,29.78 43.8,28.78 ; 38.8,21.56 39.38,20.97 U32.4 ; 38.8,21.56 37.12,21.56 36.94,21.75 C48.2 ; 38.8,21.56 38.42,21.92 v1(38.42,22.58) ; 6.97,17.46 7.7,17.46 8.21,16.95 U9.4 ; 33.8,21.56 34.64,21.56 34.97,21.22 U33.4 ; 33.8,21.56 34.03,21.78 v1(34.03,22.6) ; 33.8,21.56 32.53,21.56 32.23,21.86 C49.2 ; v1(40.44,33.31) v1(40.44,33.82) 40.44,34.93 v1(40.56,35.05) ; U14.4 8.29,25.39 7.85,25.83 7.09,25.83 ; 2.59,9.08 v1(0.61,9.08) ; C35.2 10.1,30.11 11.49,30.11 ; v1(38.42,26.8) 38.42,26.11 38.21,25.89 ; U18.4 18.16,33.74 17.59,34.3 ; 11.46,17.43 12.25,17.43 12.56,17.12 U8.4 ; 11.46,17.43 11.61,17.58 U8.2 ; 17.59,34.3 18.83,34.3 C60.2 ; 7.21,9.13 7.17,9.09 5.63,9.09 C20.2 ; 7.21,9.13 U4.2 ; v1(39.11,13.26) 37.47,13.26 C53.2 ; 12.19,30.11 13.73,30.11 C74.2 ; 12.19,30.11 11.49,30.11 ; v1(40.67,8.72) 41.7,8.72 41.91,8.93 v1(42.82,8.93) ; v1(21.66,27.4) 21.7,27.36 C13.2 ; 7.08,13.22 6.02,13.22 6.01,13.21 5.65,13.58 C23.2 v1(5.02,13.58) 4.62,13.58 4.37,13.32 C62.2 ; 7.08,13.22 7.24,13.38 U7.2 ; 22.53,42.52 22.78,42.78 22.78,43.74 ; 22.53,42.52 23.42,42.52 23.73,42.22 U23.4 ; v1(42.82,8.93) 42.83,8.94 U39.2 42.83,11.47 42.56,11.73 R2.2 ; 7.09,25.83 6.04,25.83 5.55,26.33 C30.2 ; 38.21,25.89 37.07,25.89 36.83,26.12 C45.2 ; v1(23.97,27.4) 23.86,27.3 C8.2 ; 17.02,38.48 17.22,38.69 17.22,39.42 ; 17.02,38.48 17.01,38.49 15.45,38.49 C33.2 ; 28.3,42.62 29.19,42.62 v1(29.27,42.54) 29.42,42.38 U24.4 ; C15.2 29.27,18.54 v1(29.26,18.53) ; C7.2 27.47,12.88 v1(27.05,13.3)
  Bottom w0.2: 25.95,12.33 25.95,11.67
  vias: v1(15.35,18.68) v1(15.35,16.52) v1(15.39,21.04) v1(17.48,9.38) v1(19.42,6.88) v1(19.51,27.23) v1(19.96,11.41) v1(22.81,11.33) v1(24.27,31.54) v1(26.73,12.09) v1(29.16,15.69) v1(29.26,24.36)
